# Altium PCB RadYaab_v1.PcbDoc (part 1 of 2) (continued)
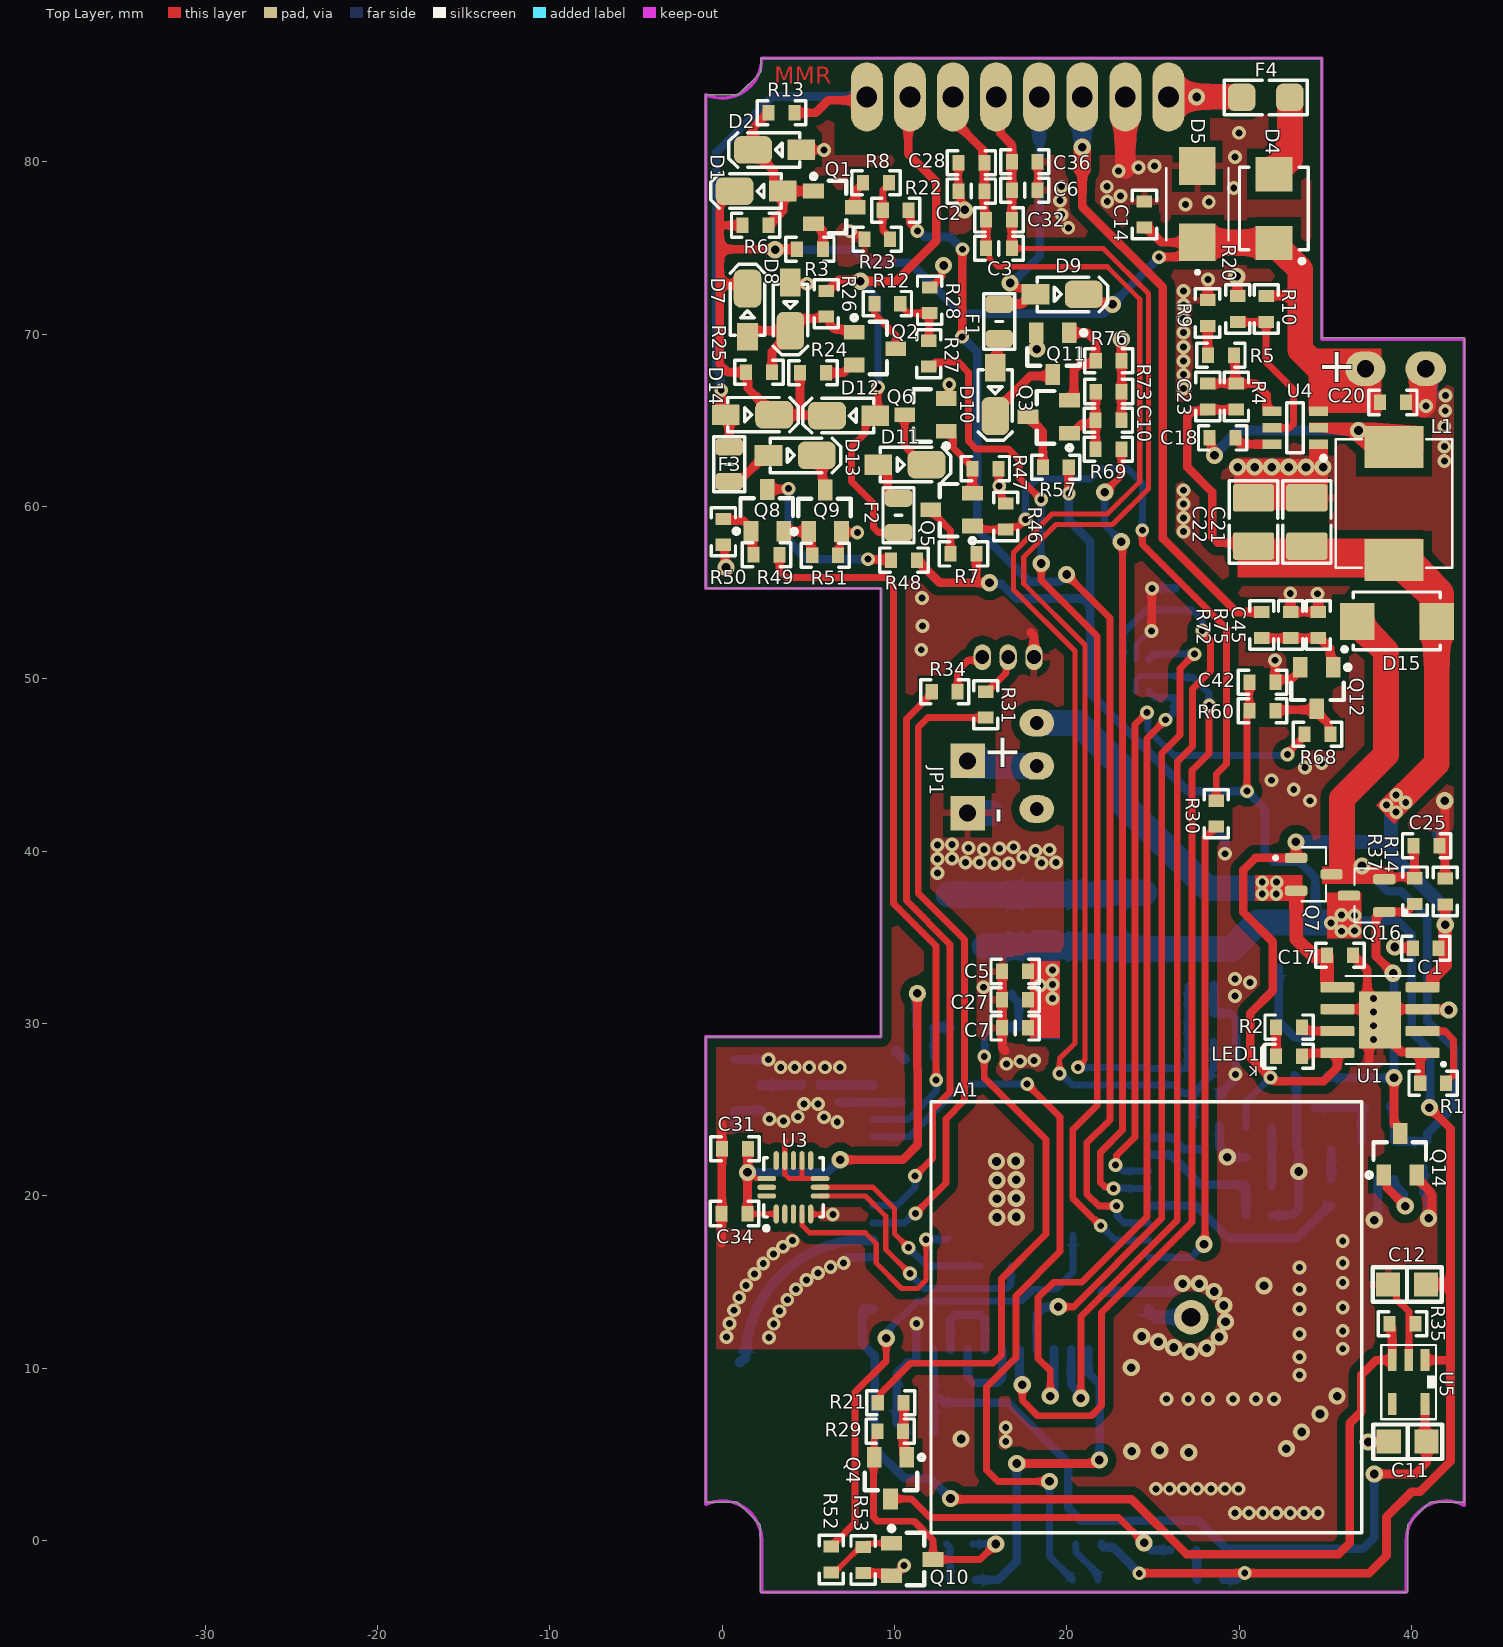
[diagram p0: Top Layer view]
## Footprints (in the part's own frame and the unit in brackets; to place one, negate y for a bottom-side part, rotate by r counter-clockwise, add the part's x,y. Pads: shape width x height; smd on the part's side, far side on the other; paste and mask are expansions set on the pad) (continued)
  silkscreen extent -1.1,-0.45 1.1,0.45
SOT-23-3 [mm]
  rect 0.85x1.2 smd: 1(0,0) 2(1.9,0) 3(0.95,2.413)
  silkscreen extent -1,-0.15 2.44,1.9, body extent -0.55,-0.2 2.45,2.44, height 1.08
SW-TH_SS-12D01-GX [mm] "Slide Switch SPDT Surface Mount, Vertical Push"
  oval 1.6x2 hole 0.8: 1(-2.5,0) 2(0,0) 3(2.5,0)
  silkscreen extent -4.4,-1.95 4.4,1.95
Tantalum-B [mm] "1210 (3528 Metric) Tantalum Capacitor"
  rect 2x2.5 smd: 1(0,0) 2(-3,0)
  silkscreen extent -4.3,-1.69 2,1.71, body extent -3.39,-1.41 0.3,1.41, height 2.09
YDRA-A25-1575 [mm] "25x25mm GPS ceramic patch antenna"
  round 2 hole 1.1: 1(0,0)
  silkscreen extent -12.5,-15.1 12.5,9.9, body extent -12.5,-15.1 12.5,9.9, height 5

## Part data
A1: "25x25mm GPS ceramic patch antenna", Current Footprint=NULL, Manufacturer=Amotech, Board Qty=1000, HelpURL="D:\HNA\ALTIUM2009\GS-101\DOC\Datasheet_YDRA-A25-1575 (Rev 0).pdf", ITEM/NO=NULL, Manufacturer Part Number=NULL, Package / Case=NULL, Part Number=YDRA-A25-1575, PCB Name=GS-101, Pricing=NULL, Size / Dimension=NULL, Supplier=NULL, Supplier Part Number=NULL
A2: Central Frequency=2.4GHz, JLCPCB Part Class="Extended Part", LCSC Part Name=2.4G天线, Manufacturer=JOHANSON(约翰逊), Operating Temperature=-40℃~+125℃, Power capacity=2W, Add into BOM=yes, Antenna Type=2.4G天线, Bandwidth=-, Convert to PCB=yes, Datasheet=https://atta.szlcsc.com/upload/public/pdf/source/20180301/C89334_15198946260391384223.pdf, Device=2450AT18A100E, Impedance=50Ω, Manufacturer Part=2450AT18A100E, Peak Gain=0.5dBi, Polarization Type=-, Supplier=LCSC, Supplier Footprint=1206, Supplier Part=C89334, Symbol=2450AT18A100E, VSWR=-
B1: library part "Battery 3.7V 1000mah", "Battery 3.7V 450mAh with PCB Rechargeable Li-Polymer Battery", Current Footprint=NULL, Board Qty=1000, ITEM/NO=NULL, Manufacturer=NULL, Manufacturer Part Number=NULL, Package / Case=NULL, Part Number="PL 423040 3.7V 450maH 1.66wH", PCB Name=GS-101, Pricing=NULL, Size / Dimension=29.5MM*38MM*4MM, Supplier=NULL, Supplier Part Number=NULL
C1 C11 C17 C24: library part Cap_SMD, "Chip Monolithic Ceramic Capacitor; SMD", Current Footprint="0805 (2012 Metric)", Manufacturer="Vishay or Panasonic", Manufacturer Part Number=NULL, Board Qty=1000, ITEM/NO=23, Package / Case="0805 (2012 Metric)", Part Number=10uF, PCB Name=GS-101, Pricing=NULL, Size / Dimension=NULL, Supplier=NULL, Supplier Part Number=NULL
C2 C3 C6 C7 C28 C29 C30 C32 C33 C35 C36 C37 C38: library part Cap, "Chip Monolithic Ceramic Capacitor; SMD", Current Footprint="0603 (1608 Metric)", Manufacturer="Vishay or Panasonic", Manufacturer Part Number=NULL, Board Qty=1000, ComponentLink1Description=Datasheet, ComponentLink1URL="D:\HNA\Datasheet Documents\KEM_C1002_X7R_SMD.pdf", Description1="Chip Monolithic Ceramic Capacitor; SMD", HelpURL="D:\HNA\Datasheet Documents\KEM_C1002_X7R_SMD.pdf", Mounting Type="Surface Mount", Package / Case="0603 (1608 Metric)", PCB Name=GS-101, Pricing=NULL, Size / Dimension=NULL, Supplier=NULL, Supplier Part Number=NULL
  C2 C6 C29 C37: ITEM/NO=35, Part Number=10PF
  C3 C33: ITEM/NO=46, Part Number=10PF
  C7: ITEM/NO=44, Part Number=100nF
  C28 C30 C36 C38: ITEM/NO=35, Part Number=33PF
  C32 C35: ITEM/NO=46, Part Number=33PF
C4 C16 C39: library part "Cap Pol SMD", "CAP TANT 22UF 10% 16V SMD", Current Footprint="1411 (3528 Metric), 1210", ESR (Equivalent Series Resistance)="2.3 Ohm", Lifetime @ Temp.=-, Manufacturer="AVX Corporation", Manufacturer Part Number=TAJB226K016RNJ, Manufacturer Size Code=B, Operating Temperature="-55°C ~ 125°C", Supplier Part Number=NULL, Supplier Part Number 1=478-1682-2-ND, Tolerance=±10%, Board Qty=1000, Category=Capacitors, ComponentLink1Description=http://datasheets.avx.com/TAJ.pdf, ComponentLink1URL=http://datasheets.avx.com/TAJ.pdf, Failure Rate=-, Features="General Purpose", Height - Seated (Max)="0.083\" (2.10mm)", HelpURL="D:\HNA\Datasheet Documents\TAJ.pdf", ITEM/NO=NULL, Lead Spacing=-, Mounting Type="Surface Mount", Notification="Current market demand for these product types have resulted in fluctuating and extending lead times. Lead times may differ.", Package / Case="1411 (3528 Metric), 1210", Packaging="Tape & Reel (TR)", Part Number=100uF/6.3V, Part Status=Active, PCB Name=GS-101, Pricing=NULL, Pricing 1="2000=0.1344, 4000=0.126, 10000=0.1176, 14000=0.116 (USD)", RoHS="RoHS Compliant", Size / Dimension="0.138\" L x 0.110\" W (3.50mm x 2.80mm)", Stock 1=84000, Supplier=NULL, Supplier 1=Digi-Key, Type=Molded
C5 C8 C9 C10 C12 C25 C27 C34 C42 C45: library part Cap, "Chip Monolithic Ceramic Capacitor; SMD", Current Footprint="0603 (1608 Metric)", Manufacturer=NULL, Board Qty=1000, Manufacturer Part Number=NULL, Package / Case="0603 (1608 Metric)", PCB Name=GS-101, Pricing=NULL, Size / Dimension=NULL, Supplier=NULL, Supplier Part Number=NULL
  C5: ITEM/NO=44, Part Number=10pF
  C8 C9: ITEM/NO=44, Part Number=NA
  C10 C25: ITEM/NO=44, Part Number=1uF
  C12: ITEM/NO=44, Part Number=10uF
  C27: ITEM/NO=44, Part Number=33pF
  C34: ITEM/NO=13, Part Number=1uF
  C42 C45: ITEM/NO=44, Part Number=100nF
C13 C15: library part Cap_SMD, "Chip Monolithic Ceramic Capacitor; SMD", Current Footprint="0603 (1608 Metric)", Manufacturer="Vishay or Panasonic", Manufacturer Part Number=NULL, Board Qty=1000, ITEM/NO=44, Package / Case="0603 (1608 Metric)", Part Number=100nF, PCB Name=GS-101, Pricing=NULL, Size / Dimension=NULL, Supplier=NULL, Supplier Part Number=NULL
C14 C18 C20 C23 C26: library part "Capacitor SMD"
C19: library part "Cap Pol THD", "CAP ALUM 100UF 20% 50V RADIAL", Current Footprint="Radial, Can", ESR (Equivalent Series Resistance)="74 mOhm @ 100kHz", Lifetime @ Temp.="3000 Hrs @ 105°C", Manufacturer=KEMET, Manufacturer Part Number=ESY107M050AG3AA, Operating Temperature="-40°C ~ 105°C", Ratings=-, Supplier Part Number=NULL, Supplier Part Number 1=399-6119-ND, Tolerance=±20%, Applications="General Purpose", Board Qty=1000, Category=Capacitors, ComponentLink1Description=https://search.kemet.com/component-edge/download/specsheet/ESY107M050AG3AA.pdf, ComponentLink1URL=https://search.kemet.com/component-edge/download/specsheet/ESY107M050AG3AA.pdf, Height - Seated (Max)="0.492\" (12.50mm)", HelpURL="D:\HNA\Datasheet Documents\ESY107M050AG3AA.pdf", ITEM/NO=NULL, Lead Spacing="0.295\" (7.50mm)", Mounting Type="Through Hole", Package / Case="Radial, Can", Packaging=Bulk, Part Number=100uF/50V, Part Status=Active, PCB Name=GS-101, Polarization=Polar, Pricing=NULL, Pricing 1="1=0.34, 10=0.235, 100=0.1411, 500=0.10584, 1000=0.08938, 2500=0.08467, 5000=0.07997 (USD)", RoHS="RoHS Compliant", Size / Dimension="0.315\" Dia (8.00mm)", Stock 1=5937, Supplier=NULL, Supplier 1=Digi-Key, Surface Mount Land Size=-
C21 C22: library part CAP_SMD_MLCC_22u25V, "CAP, MLCC, X5R 22uF 25V 20% 1206", DESC="CAP, MLCC, 22uF, 25V, X5R,  20%, 1206", MANF="Taiyo Yuden", MANF_P#=TMK316BBJ226ML-T, PARAM="X5R, 20%", PARAM2=25V, PRICE=0.572$
C31: library part Cap, "Chip Monolithic Ceramic Capacitor; SMD", Current Footprint="0603 (1608 Metric)", Manufacturer=NULL, Part Number=100nF, Board Qty=1000, ITEM/NO=44, Manufacturer Part Number=NULL, Package / Case="0603 (1608 Metric)", PCB Name=GS-101, Pricing=NULL, Size / Dimension=NULL, Supplier=NULL, Supplier Part Number=NULL
D1 D2 D7 D8 D9 D10 D11 D12 D13 D14: library part "Diode 1N4148", "DIODE SMALL SIG 100V 0.2A SOD80", Current Footprint=SOD-80, Manufacturer="Fairchild Semiconductor", Manufacturer Part Number=LL4148, Part Number=1N4148W, Supplier Part Number=LL4148FSCT-ND, Assembly Status=A, Board Qty=1000, ComponentLink1Description=Datasheet, ComponentLink1URL="D:\HNA\Datasheet Documents\LL4148.pdf", Description1="DIODE SMALL SIG 100V 0.2A SOD80", HelpURL="D:\HNA\Datasheet Documents\LL4148.pdf", in stock Qty=0, ITEM/NO=92, Main Supplier="Ocean Electronic (Int'L) Limited--(http://www.iic-ic.com)", Mounting Type="Surface Mount", Package / Case=SOD-80, Packaging Part=?, Part Picture="D:\HNA\Electrinic Part Pictures\SOD-80.bmp", PCB Name=GS-101, PCB Project="FL3 Controller", Pricing="1=0.1, 10=0.068, 25=0.062, 100=0.0445, 250=0.0262, 500=0.02174, 1000=0.01483 (USD)", Repository Qty=55, SHOP NAME=?, Size / Dimension=NULL, Supplier=Digi-Key
D3: library part TVSARRAY_5LANE, "Voltage Transient Suppressor ArraySOT363", DeviceSetName=TVSARRAY_5LANE, GateName_1=G$1, LibraryName=microbuilder, SymbolName_1=TVSARRAY_5LANE
D4: library part "Diode SS24", "DIODE SCHOTTKY 40V 2A DO214AA", Current Footprint="DO-214AA, SMB", Manufacturer="Fairchild Semiconductor", Supplier Part Number=NULL, Supplier Part Number 1=SS28TR-ND, Board Qty=1000, HelpURL="D:\HNA\Datasheet Documents\S210 (1).pdf", ITEM/NO=115, Manufacturer Part Number=SS28, Mounting Type="Surface Mount", Package / Case="DO-214AA, SMB", Part Number=SS28, PCB Name=GS-101, Pricing="1=0.48, 10=0.364, 100=0.2266, 500=0.1549, 1000=0.11907 (USD)", Size / Dimension=NULL, Supplier=NULL, Supplier 1=Digi-Key
D5: "24V TVS Diode", Package="DO-214 STMicroelectronics", Check_prices=https://www.snapeda.com/parts/SMBJ24A-TR/STMicroelectronics/view-part/?ref=eda, MF=STMicroelectronics, MP=SMBJ24A-TR, SnapEDA_Link=https://www.snapeda.com/parts/SMBJ24A-TR/STMicroelectronics/view-part/?ref=snap
D15: library part "Diode SS24", "DIODE SCHOTTKY 10V 2A SMA", Base Part Number=MBRA210, Capacitance @ Vr, F=-, Current - Average Rectified (Io)=2A, Current Footprint="DO-214AC, SMA", Manufacturer="ON Semiconductor", Operating Temperature - Junction="-55°C ~ 125°C", Supplier Device Package=SMA, Supplier Part Number=NULL, Supplier Part Number 1=MBRA210LT3GOSTR-ND, Board Qty=1000, Category="Discrete Semiconductor Products", ComponentLink1Description=http://www.onsemi.com/pub/Collateral/MBRA210LT3-D.PDF, ComponentLink1URL=http://www.onsemi.com/pub/Collateral/MBRA210LT3-D.PDF, Diode Type=Schottky, HelpURL="D:\HNA\Datasheet Documents\MBRA210LT3-D.PDF", ITEM/NO=NULL, Manufacturer Part Number=MBRA210LT3G, Mounting Type="Surface Mount", Package / Case="DO-214AC, SMA", Packaging="Tape & Reel (TR)", Part Number=MBRA210LT3G, Part Status=Active, PCB Name=GS-101, Pricing=NULL, Pricing 1="5000=0.17705, 10000=0.16484, 25000=0.15629 (USD)", RoHS="RoHS Compliant", Size / Dimension=NULL, Speed="Fast Recovery =< 500ns, > 200mA (Io)", Stock 1=20000, Supplier=NULL, Supplier 1=Digi-Key
F1 F2 F3: library part FUSE_500mA_0805_FAST, "Fuse, 500mA, 32VDC, 0805, SMD, Fast Acting", MANF=MANF, MANF_P#=MANF_PART#, PARAM="500mA; 32VDC; fast acting", PARAM2="0.25 Ohm DC Cold Resistance"
F4: library part FUSE_3A_1206_SLOW, "Fuse, 3A, 32VDC, 1206, SMD, Slow Blow", MANF=Bourns, MANF_P#=SF-1206SP300-2, PARAM="3A; 32VDC; Slow Blow", PARAM2=0.027Ohm, PRICE=0.9$
J1: "WR-UMRF PCB Receptacle SMT with 3 Pads, DC~6GHz, 50Ω", Frequency Range=DC~6GHz, Manufacturer="Wurth Elektronik", Operating Temperature Max=90°C, Operating Temperature Min=-40°C, Category="Coaxial Connectors", ComponentLink1Description="Website Link", ComponentLink1URL=https://www.we-online.com/redexpert/article/636101111001?ad, ComponentLink2Description="Datasheet Link", ComponentLink2URL=https://www.we-online.com/redexpert/spec/636101111001?ad, Impedance=50Ohm, Manufacturer Part Number=636101111001, Match Code=WR-UMRF, Mount="Surface Mount", Packaging="Tape and Reel"
JP1: library part "Header 2", "CONN HEADER 2POS 2.54MM VERT T/H MALE", Current Footprint=HDR1X2, Manufacturer="JST Sales America Inc", Manufacturer Part Number=B2B-XH-A(LF)(SN), Supplier Part Number=455-2247-ND, Board Qty=1000, ComponentLink1Description=Datasheet, ComponentLink1URL="D:\HNA\Datasheet Documents\eXH.pdf", Description1="CONN HEADER 2POS 2.54MM VERT T/H MALE", HelpURL="D:\HNA\Datasheet Documents\eXH.pdf", ITEM/NO=87, Mounting Type="Through Hole", Package / Case=HDR1X2, Part Number=JST-XH-2PIN-V-2.5MM, PCB Name=GS-101, Pricing="1=0.14, 10=0.134, 25=0.0996, 50=0.0856, 100=0.0827, 250=0.07124, 500=0.0684, 1000=0.05985, 2500=0.05415 (USD)", Size / Dimension="Number of Positions=2;Number of Rows=1;Pitch=0.098\" (2.50mm);Contact Type=Male Pin", Supplier=Digi-Key
L1: library part IND1008_1UH_20%_WURTH_74479787210B, "Inductor", Case=1008, Manufacturer="WURTH ELEKTRONIK", Manufacturer Part Number=74479787210B, Power=1.95A, resistance=0.06R, Tolerance=±20%, Author="CERN DEM JLC", Component Type=Standard, ComponentHeight=1mm, CreateDate=10/1/2014, HelpURL=\\cern.ch\dfs\Applications\Altium\Datasheets\IND_WURTH_WE-PMI_74479787210B.pdf, LatestRevisionDate=10/1/2014, Mounted=Yes, Part Description="Power Multilayer Inductor (WE-PMI Series)", Part Number=IND1008_1UH_20%_WURTH_74479787210B, Pin Count=2, Sense=No, SMD=Yes, Socket=No
LED1 LED2 LED3 LED4: library part LED_SMD, "LED BLUE CLEAR 0603 SMD", Current Footprint="0603 (1608 Metric)", Manufacturer=Inolux, Manufacturer Part Number=IN-S63AT5B, Supplier Part Number=1830-1061-2-ND, Board Qty=1000, ComponentLink1Description=http://optoelectronics.liteon.com/upload/download/DS22-2000-109/S_110_LTST-C171KRKT.pdf, ComponentLink1URL=http://optoelectronics.liteon.com/upload/download/DS22-2000-109/S_110_LTST-C171KRKT.pdf, ITEM/NO=95, Mounting Type="Surface Mount", Package / Case="0603 (1608 Metric)", PCB Name=GS-101, Pricing="1=0.39, 10=0.288, 100=0.1526, 250=0.108, 500=0.09216, 1000=0.072 (USD)", Size / Dimension=NULL, Supplier=Digi-Key
  LED1: Part Number="LED WHITE SMD 0603"
  LED2: Part Number="LED BLUE SMD 0603"
  LED3: Part Number="LED RED SMD 0603"
  LED4: Part Number="LED GREEN SMD 0603"
P1: library part "Header 8", "2.50mm Pitch, Board-In Crimp Housing, Single Row, Right-Angle and Vertical, 8 Circuits, Natural", LatestRevisionDate=17-Jul-2002, LatestRevisionNote="Re-released for DXP Platform.", Publisher="Altium Limited"
P2: library part "Header 3", "JST ZH 1.5mm Connectors 3POS", LatestRevisionDate=17-Jul-2002, LatestRevisionNote="Re-released for DXP Platform.", Publisher="Altium Limited"
P3: JLCPCB Part Class="Extended Part", LCSC Part Name="自弹式 MicroSIM卡 卡座", Manufacturer=kinghelm(金航标), Operating Temperature Range=-20℃~+60℃, Add into BOM=yes, Body Height (Max)=1.35mm, Card Connection Mode="Self bomb", Card Type=MicroSIM卡, Connector Type=Deck, Convert to PCB=yes, Datasheet=https://atta.szlcsc.com/upload/public/pdf/source/20200330/C504015_D42CE4BD6084CA1A3D8216E6E077CFDC.pdf, Device=KH-SIM1616-6PIN, Manufacturer Part=KH-SIM1616-6PIN, Supplier=LCSC, Supplier Footprint=SMD, Supplier Part=C504015, Symbol=KH-SIM1616-6PIN
Q1 Q2: library part FFMT3905, "TRANS PNP SOT23-3", Base Part Number=MMBTA92, Current - Collector (Ic) (Max)=200mA, Current Footprint="TO-236-3, SC-59, SOT-23-3", Frequency - Transition=250MHz, Manufacturer="Diodes Incorporated", Manufacturer Part Number=MMBTA92-7-F, Supplier Device Package=SOT-23-3, Supplier Part Number=MMBTA92-FDICT-ND, Board Qty=1000, Category="Discrete Semiconductor Products", HelpURL="D:\HNA\Datasheet Documents\ds30060.pdf", ITEM/NO=97, Mounting Type="Surface Mount", Package / Case="TO-236-3, SC-59, SOT-23-3", Packaging="Cut Tape (CT)", Part Number=MMBTA92, PCB Name=GS-101, Pricing="1=0.24, 10=0.195, 100=0.1033, 500=0.06798, 1000=0.04623 (USD)", Size / Dimension=NULL, Supplier=Digi-Key, Transistor Type=PNP
Q3 Q4 Q5 Q6 Q8 Q9 Q10 Q11 Q12 Q14 Q15: "TRANS NPN 300V 0.3A SOT23", Base Part Number=MMBTA42, Current - Collector Cutoff (Max)="100nA (ICBO)", Current Footprint="TO-236-3, SC-59, SOT-23-3", DC Current Gain (hFE) (Min) @ Ic, Vce="40 @ 30mA, 10V", Frequency - Transition=50MHz, Manufacturer="Micro Commercial Co", Manufacturer Part Number=MMBTA42-TP, Operating Temperature="-55°C ~ 150°C (TJ)", Supplier Device Package=SOT-23, Supplier Part Number=MMBTA42TPMSCT-ND, Board Qty=1000, Category="Discrete Semiconductor Products", HelpURL="D:\HNA\Datasheet Documents\MMBTA42(SOT-23).pdf", ITEM/NO=71, Mounting Type="Surface Mount", Package / Case="TO-236-3, SC-59, SOT-23-3", Packaging="Cut Tape (CT)", Part Status=Active, PCB Name=GS-101, Pricing="1=0.22, 10=0.203, 25=0.146, 100=0.1136, 250=0.07136, 500=0.06084, 1000=0.04137 (USD)", RoHS="RoHS Compliant", Size / Dimension=NULL, Stock=49544, Supplier=Digi-Key, Transistor Type=NPN, Vce Saturation (Max) @ Ib, Ic="500mV @ 2mA, 20mA"
  Q3 Q4 Q5 Q6 Q8 Q9 Q10 Q11 Q14 Q15: Part Number=BC817-40
  Q12: Part Number=MMBTA42
Q7 Q16: library part IRLML6402TRPBF, "P-Channel 20 V 3.7A (Ta) 1.3W (Ta) Surface Mount Micro3Ã¢â€žÂ¢ /SOT-23", Package="SOT-23-3 ON Semiconductor", Check_prices=https://www.snapeda.com/parts/IRLML6402TRPBF/Infineon/view-part/?ref=eda, MF=Infineon, MP=IRLML6402TRPBF, SnapEDA_Link=https://www.snapeda.com/parts/IRLML6402TRPBF/Infineon/view-part/?ref=snap
Q13: "N-Channel 20 V 6.5A (Ta) 1.4W (Ta) Surface Mount SOT-23-3", Package="SOT-23 Alpha &amp; Omega Semiconductor", Check_prices=https://www.snapeda.com/parts/AO3416/Alpha/view-part/?ref=eda, MF="Alpha & Omega Semiconductor", MP=AO3416, SnapEDA_Link=https://www.snapeda.com/parts/AO3416/Alpha/view-part/?ref=snap
R1 R11 R14 R15 R31 R34 R37 R52 R53: library part Res1, "Resistor: thick film; SMD", Current Footprint="0603 (1608 Metric)", Manufacturer="Vishay or Panasonic", Manufacturer Part Number=NULL, Board Qty=1000, ComponentLink1Description=Datasheet, ComponentLink1URL="D:\HNA\Datasheet Documents\Resistor-Chip-UniOhm.pdf", Description1="Resistor: thick film; SMD", HelpURL="D:\HNA\Datasheet Documents\Resistor-Chip-UniOhm.pdf", Mounting Type="Surface Mount, MLCC", Package / Case="0603 (1608 Metric)", PCB Name=GS-101, Pricing=NULL, Size / Dimension=NULL, Supplier=NULL, Supplier Part Number=NULL
  R1: ITEM/NO=56, Part Number=20KR
  R11: ITEM/NO=47, Part Number=0R
  R14 R37: ITEM/NO=56, Part Number=100K
  R15: ITEM/NO=56, Part Number=330R
  R31 R34: ITEM/NO=47, Part Number=100R
  R52 R53: ITEM/NO=56, Part Number=4.7K
R2 R7 R16 R18 R48 R57: library part Res1, "Resistor: thick film; SMD", Current Footprint="0603 (1608 Metric)", Manufacturer="Vishay or Panasonic", Manufacturer Part Number=NULL, Part Number=1KR, Board Qty=1000, ComponentLink1Description=Datasheet, ComponentLink1URL="D:\HNA\Datasheet Documents\Resistor-Chip-UniOhm.pdf", Description1="Resistor: thick film; SMD", HelpURL="D:\HNA\Datasheet Documents\Resistor-Chip-UniOhm.pdf", Mounting Type="Surface Mount, MLCC", Package / Case="0603 (1608 Metric)", PCB Name=GS-101, Pricing=NULL, Size / Dimension=NULL, Supplier=NULL, Supplier Part Number=NULL
  R2 R16 R18: ITEM/NO=56
  R7 R48 R57: ITEM/NO=15
R3 R24 R68: library part "Res Semi", "Resistor: thick film; SMD", Current Footprint="0603 (1608 Metric)", Manufacturer="Vishay or Panasonic", Manufacturer Part Number=NULL, Board Qty=1000, Package / Case="0603 (1608 Metric)", PCB Name=GS-101, Pricing=NULL, Size / Dimension=NULL, Supplier=NULL, Supplier Part Number=NULL
  R3 R24: ITEM/NO=47, Part Number=100R
  R68: ITEM/NO=50, Part Number=120R
R4 R5 R9 R10 R20: library part "Resistor SMD"
R6 R8 R12 R25 R60 R75: library part "Res Semi", "Resistor: thick film; SMD", Current Footprint="0603 (1608 Metric)", Manufacturer="Vishay or Panasonic", Manufacturer Part Number=NULL, Part Number=10KR, Board Qty=1000, Package / Case="0603 (1608 Metric)", PCB Name=GS-101, Pricing=NULL, Size / Dimension=NULL, Supplier=NULL, Supplier Part Number=NULL
  R6 R25 R60 R75: ITEM/NO=20
  R8 R12: ITEM/NO=50
R13 R23 R26 R28: library part "Res Semi", "Resistor: thick film; SMD", Current Footprint="0603 (1608 Metric)", Manufacturer="Vishay or Panasonic", Manufacturer Part Number=NULL, Part Number=4.7KR, Board Qty=1000, ITEM/NO=15, Package / Case="0603 (1608 Metric)", PCB Name=GS-101, Pricing=NULL, Size / Dimension=NULL, Supplier=NULL, Supplier Part Number=NULL
R21: library part Res1, "Resistor: thick film; SMD", Current Footprint="0603 (1608 Metric)", Manufacturer="Vishay or Panasonic", Manufacturer Part Number=NULL, Part Number=4.7KR, Board Qty=1000, ComponentLink1Description=Datasheet, ComponentLink1URL="D:\HNA\Datasheet Documents\Resistor-Chip-UniOhm.pdf", Description1="Resistor: thick film; SMD", HelpURL="D:\HNA\Datasheet Documents\Resistor-Chip-UniOhm.pdf", ITEM/NO=15, Mounting Type="Surface Mount, MLCC", Package / Case="0603 (1608 Metric)", PCB Name=GS-101, Pricing=NULL, Size / Dimension=NULL, Supplier=NULL, Supplier Part Number=NULL
R22 R27: library part "Res Semi", "Resistor: thick film; SMD", Current Footprint="0603 (1608 Metric)", Manufacturer="Vishay or Panasonic", Manufacturer Part Number=NULL, Part Number=1KR, Board Qty=1000, ITEM/NO=50, Package / Case="0603 (1608 Metric)", PCB Name=GS-101, Pricing=NULL, Size / Dimension=NULL, Supplier=NULL, Supplier Part Number=NULL
R29 R35: library part Res1, "Resistor: thick film; SMD", Current Footprint="0603 (1608 Metric)", Manufacturer="Vishay or Panasonic", Manufacturer Part Number=NULL, Part Number=47KR, Board Qty=1000, ComponentLink1Description=Datasheet, ComponentLink1URL="D:\HNA\Datasheet Documents\Resistor-Chip-UniOhm.pdf", Description1="Resistor: thick film; SMD", HelpURL="D:\HNA\Datasheet Documents\Resistor-Chip-UniOhm.pdf", ITEM/NO=39, Mounting Type="Surface Mount, MLCC", Package / Case="0603 (1608 Metric)", PCB Name=GS-101, Pricing=NULL, Size / Dimension=NULL, Supplier=NULL, Supplier Part Number=NULL
R30 R49 R69: library part Res1, "Resistor: thick film; SMD", Current Footprint="0603 (1608 Metric)", Manufacturer="Vishay or Panasonic", Manufacturer Part Number=NULL, Part Number=3.3KR, Board Qty=1000, ComponentLink1Description=Datasheet, ComponentLink1URL="D:\HNA\Datasheet Documents\Resistor-Chip-UniOhm.pdf", Description1="Resistor: thick film; SMD", HelpURL="D:\HNA\Datasheet Documents\Resistor-Chip-UniOhm.pdf", ITEM/NO=15, Mounting Type="Surface Mount, MLCC", Package / Case="0603 (1608 Metric)", PCB Name=GS-101, Pricing=NULL, Size / Dimension=NULL, Supplier=NULL, Supplier Part Number=NULL
R39: library part Res1, "Resistor: thick film; SMD", Current Footprint="0603 (1608 Metric)", Manufacturer="Vishay or Panasonic", Manufacturer Part Number=NULL, Part Number=100, Board Qty=1000, ComponentLink1Description=Datasheet, ComponentLink1URL="D:\HNA\Datasheet Documents\Resistor-Chip-UniOhm.pdf", Description1="Resistor: thick film; SMD", HelpURL="D:\HNA\Datasheet Documents\Resistor-Chip-UniOhm.pdf", ITEM/NO=56, Mounting Type="Surface Mount, MLCC", Package / Case="0603 (1608 Metric)", PCB Name=GS-101, Pricing=NULL, Size / Dimension=NULL, Supplier=NULL, Supplier Part Number=NULL
R40 R46 R47 R50 R51 R73 R76: library part Res1, "Resistor: thick film; SMD", Current Footprint="0603 (1608 Metric)", Manufacturer="Vishay or Panasonic", Manufacturer Part Number=NULL, Part Number=10KR, Board Qty=1000, ComponentLink1Description=Datasheet, ComponentLink1URL="D:\HNA\Datasheet Documents\Resistor-Chip-UniOhm.pdf", Description1="Resistor: thick film; SMD", HelpURL="D:\HNA\Datasheet Documents\Resistor-Chip-UniOhm.pdf", Mounting Type="Surface Mount, MLCC", Package / Case="0603 (1608 Metric)", PCB Name=GS-101, Pricing=NULL, Size / Dimension=NULL, Supplier=NULL, Supplier Part Number=NULL
  R40: ITEM/NO=56
  R46 R47 R50 R51 R73 R76: ITEM/NO=20
R41: library part Res1, "Resistor: thick film; SMD", Current Footprint="0603 (1608 Metric)", Manufacturer="Vishay or Panasonic", Manufacturer Part Number=NULL, Part Number=0, Board Qty=1000, ComponentLink1Description=Datasheet, ComponentLink1URL="D:\HNA\Datasheet Documents\Resistor-Chip-UniOhm.pdf", Description1="Resistor: thick film; SMD", HelpURL="D:\HNA\Datasheet Documents\Resistor-Chip-UniOhm.pdf", ITEM/NO=56, Mounting Type="Surface Mount, MLCC", Package / Case="0603 (1608 Metric)", PCB Name=GS-101, Pricing=NULL, Size / Dimension=NULL, Supplier=NULL, Supplier Part Number=NULL
R43 R45: library part "Res SMD", "Resistor: thick film; SMD", Current Footprint="0603 (1608 Metric)", Manufacturer="Vishay or Panasonic", Manufacturer Part Number=NULL, Board Qty=1000, ITEM/NO=39, Package / Case="0603 (1608 Metric)", Part Number="47KR/ 1%", PCB Name=GS-101, Pricing=NULL, Size / Dimension=NULL, Supplier=NULL, Supplier Part Number=NULL
R44: library part "Res SMD", "Resistor: thick film; SMD", Current Footprint="0603 (1608 Metric)", Manufacturer="Vishay or Panasonic", Manufacturer Part Number=NULL, Part Number=10KR, Board Qty=1000, ITEM/NO=20, Package / Case="0603 (1608 Metric)", PCB Name=GS-101, Pricing=NULL, Size / Dimension=NULL, Supplier=NULL, Supplier Part Number=NULL
R72: library part "Res Semi", "Resistor: thick film; SMD", Current Footprint="0603 (1608 Metric)", Manufacturer="Vishay or Panasonic", Manufacturer Part Number=NULL, Part Number=47KR, Board Qty=1000, ITEM/NO=43, Package / Case="0603 (1608 Metric)", PCB Name=GS-101, Pricing=NULL, Size / Dimension=NULL, Supplier=NULL, Supplier Part Number=NULL
S1: library part SW-SPDT, "SWITCH SLIDE SPDT", Current Rating="300mA (DC)", Manufacturer="APEM Inc.", Manufacturer Part Number=MA12RTR, Operating Force=200gf, Operating Temperature="-10°C ~ 60°C", Supplier Part Number 1=679-1847-2-ND, Actuator Length=1.50mm, Actuator Material="Liquid Crystal Polymer (LCP)", Actuator Type=Standard, Category=Switches, Circuit=SPDT, ComponentLink1Description=http://media.digikey.com/pdf/Data%20Sheets/APEM%20Components%20PDFs/MA_Series_.pdf, ComponentLink1URL=http://media.digikey.com/pdf/Data%20Sheets/APEM%20Components%20PDFs/MA_Series_.pdf, Contact Finish=Silver, Contact Material="Beryllium Copper", Contact Timing="Not Specified", Electrical Life="10,000 Cycles", Features="Board Guide", HelpURL="D:\HNA\Datasheet Documents\MA_Series_.pdf", Mechanical Life=-, Mounting Type="Surface Mount, Right Angle", Packaging="Tape & Reel (TR)", Part Number=MA12RTR, Part Status=Active, Pricing 1="3300=0.5504, 6600=0.4816, 23100=0.4128 (USD)", RoHS="RoHS Compliant", Stock 1=13200, Supplier 1=Digi-Key, Switch Function=On-On, Switch Travel=1.50mm, Termination Style="Gull Wing"
U1: "Complete single cell Li-Ion battery with a constant current / constant voltage linear charger", Package=Package, Availability="Not in stock", Check_prices=https://www.snapeda.com/parts/TP4056/NanJing+Top+Power+ASIC+Corp./view-part/?ref=eda, MF="NanJing Top Power ASIC Corp.", MP=TP4056, PRICE=None, SnapEDA_Link=https://www.snapeda.com/parts/TP4056/NanJing+Top+Power+ASIC+Corp./view-part/?ref=snap
U2: library part SKC111, "GSM/GPRS/GNSS Module Series", Current Footprint=MOD-68, Manufacturer=NULL, Board Qty=1000, HelpURL=D:\HNA\ALTIUM2009\GS-101\Quictel\MC60\MC60\Hardware\Quectel_MC60_Series_Hardware_Design_V2.0.pdf, ITEM/NO=NULL, Manufacturer Part Number=NULL, Package / Case=MOD-68, Part Number=MC60, PCB Name=GS-101, Pricing=NULL, Size / Dimension=NULL, Supplier=NULL, Supplier Part Number=NULL
U3: "MEMS digital output motion sensor: Ultra low-power high performance 3-axis nano accelerometer, -40 to +85°C, LGA-16 (3x3x1), Tape and Reel", Current Footprint=LGA16-3X3X1_N, Manufacturer=STMicroelectronics, Package / Case=16-VFLGA, Supplier Part Number=497-10613-1-ND, Board Qty=1000, ComponentLink1Description="Manufacturer URL", ComponentLink1URL=http://www.st.com/, HelpURL="D:\HNA\Datasheet Documents\en.CD00274221.pdf", ITEM/NO=90, Manufacturer Part Number=LIS3DHTR, Mounting Type="Surface Mount", Part Number=LIS3DHTR, PCB Name=GS-101, Pricing="1=1.63, 10=1.463, 100=1.1738, 500=0.9648, 1000=0.79864 (USD)", Size / Dimension=NULL, Supplier=Digi-Key
U4: "4.5V to 28V Input, 2-A Output, EMI Friendly / Synchronous Step Down Converter", Case=SOT23-6, Manufacturer="TEXAS INSTRUMENTS", Author="CERN DEM HF", Bonding=No, Component Type=Standard, ComponentHeight=1.1mm, CreateDate=6/10/2022, Device=TPS54202DDC, HelpURL=\\cern.ch\dfs\Applications\Altium\Datasheets\TPS54202.pdf, LatestRevisionDate=6/10/2022, Manufacturer Part Number=TPS54202DDC, Mounted=Yes, PackageDescription="SOT23, 0.95mm Pitch; 6 Pin, 1.625mm W X 2.90mm L X 1.00mm H body, IPC Medium Density", Part Description="4.5V to 28V Input, 2A Output, EMI Friendly Synchronous Step Down Converter", Part Number=TPS54202DDC, Pin Count=5, PressFit=No, Sense=No, SMD=Yes, Socket=No
U5: library part SGM2019A, "Fixed LDO Voltage Regulator 3.3V 300mA SOT-23-5", Current Footprint=SOT23-5, Manufacturer="SG Micro Limited", Supplier Part Number=NULL, Board Qty=1000, Description1="Low Power, Low Dropout  RF-Linear Regulator", HelpURL="D:\HNA\Datasheet Documents\SGM2019 (YJAA SMD CODE).pdf", ITEM/NO=106, Manufacturer Part Number=SGM2019A, Package / Case=SOT23-5, Part Number=TLV74333PDBVR, PCB Name=GS-101, Pricing=NULL, Size / Dimension=NULL, Supplier=NULL
U6: "Active-low, push-pull, voltage supervisor (reset IC) with 1.6-s watchdog & manual reset", Package="SOT-23-5 Texas Instruments", Check_prices=https://www.snapeda.com/parts/TPS3823-33DBVR/Texas+Instruments/view-part/?ref=eda, MF="Texas Instruments", MP=TPS3823-33DBVR, SnapEDA_Link=https://www.snapeda.com/parts/TPS3823-33DBVR/Texas+Instruments/view-part/?ref=snap

## Free pads (board coordinates)
  round 1 hole 0.5: 5(11.328,31.75)

## Via types
v1: diameter 0.8, hole 0.4, Top Layer to Bottom Layer, tented both sides, 206 vias
v2: diameter 1, hole 0.5, Top Layer to Bottom Layer, tented both sides, 84 vias

## Nets (pads, with @x,y where several pads share a name; then routed paths per layer and width w, separated by ;. In a path a pad name is that pad's centre, name@x,y a point inside that pad or via, vN(x,y) a via of type N, cw(c..) or ccw(c..) an arc to the next point about the centre after c; other vN are vias at no path point)
4V5: C1.2 C21.2 C22.2 C23.2 D15.1 L1.2 LED1.1 Q7.1 R4.1 R14.1 R43.2 U1.4 U1.8 | length 76.4
  Top Layer w0.5: R4.1@29.845,65.632 C23.2@28.194,65.632 28.094,65.532 27.293,65.532 27,65.239 27,62.281 28.435,60.846 28.435,58.229 28.774,57.891 30.651,57.891 C22.2@30.836,57.706 ; v2(33.299,40.538) 33.308,40.53 33.308,39.617 Q7.1@33.316,39.609 30.951,39.609 30.251,38.91 30.251,36.449 31.953,34.747 31.953,31.902 30.658,30.607 30.658,28.016 32.029,26.645 34.9,26.645 35.701,27.446 U1.8@35.701,28.296 33.758,28.296 33.655,28.192 LED1.1@33.655,28.092 ; v2(41.961,35.738) R14.1@41.961,36.906
  Top Layer w0.8: U1.4@41.236,32.206 41.236,32.675 41.961,33.399 v2(41.961,35.738)
  Top Layer w1.5: 39.624,43.256 41.467,45.099 D15.1@41.467,53.34
  Top Layer w2: L1.2@38.989,56.894 39.473,56.894 41.467,54.901 D15.1@41.467,53.34
  Bottom Layer w0.4: R43.2@30.404,23.927 30.404,25.451 v1(31.826,26.873)
  Bottom Layer w0.8: v2(33.299,40.538) 38.824,40.538 ; v1@38.824,42.431 38.824,40.538 ; v2(41.961,35.738) 41.923,35.776 41.923,36.716 38.824,39.814 38.824,40.538
  other v1: 39.116,42.266 38.557,42.672 39.675,42.824 39.116,43.256
+GNSS_VCC: C11.2 C13.2 C24.2 U2.26 U5.5 | length 45.9
  Top Layer w0.5: v2(37.846,3.861) 40.224,3.861 40.884,4.521 C11.2@40.884,5.74 ; U5.5@40.79,7.925 40.794,7.921 40.794,5.535 C11.2@40.894,5.436
  Bottom Layer w0.5: C13.2@12.143,6.198 C13.2@12.205,6.26 ; C13.2@12.217,6.248 12.276,6.307 12.276,8.196 C24.2@12.335,8.255 ; C24.2@12.257,8.788 U2.26@12.257,11.082 ; C24.2@12.268,8.612 C24.2@12.268,8.712 ; C24.2@12.637,8.243 12.879,8.001 16.586,8.001 20.091,4.496 20.091,1.88 20.828,1.143 27.635,1.143 29.261,-0.483 37.186,-0.483 37.846,0.178 v2(37.846,3.861)
+VDD28_OUT: C31.2 C34.2 pad.5 U2.43 U3.1 U3.14 | length 27.8
  Top Layer w0.3: C34.2@1.486,18.986 1.525,18.948 U3.1@3.14,18.948 ; v2@1.661,21.336 1.999,20.998 U3.14@2.59,20.998
  Top Layer w0.5: C34.2@1.486,18.986 1.473,18.999 v2(1.473,21.361) 1.486,21.374 1.486,22.72 C31.2@1.499,22.733 ; v2(6.858,22.098) 10.49,22.098 11.354,22.962 pad.5@11.328,31.75
  Bottom Layer w0.5: v2(1.473,21.361) 6.121,21.361 v2(6.858,22.098) ; U2.43@11.257,29.782 pad.5@11.257,31.766
ACC: P1.3 R72.2 | length 35.1
  Top Layer w0.5: 20.9,79.582 20.9,77.398 25.578,72.72 25.578,58.141 29.844,53.875 R72.2@31.318,53.875
  Top Layer w1: 20.9,79.582 v2(20.9,80.852)
  Bottom Layer w1: v2(20.9,80.852) P1.3@20.9,83.769
ACC_P: R68.2 U2.7 | length 40.5
  Top Layer w0.4: v1(22.835,21.793) 22.888,21.846 22.888,22.354 23.952,23.419 23.952,47.346 v1(24.663,48.057) ; v1(32.817,45.618) 32.817,45.698 33.806,46.687 R68.2@33.806,46.787
  Bottom Layer w0.4: v1(22.835,21.793) 22.892,21.793 23.254,21.432 U2.7@24.757,21.432 ; v1(24.663,48.057) 24.698,48.022 24.698,47.057 26.213,45.542 32.741,45.542 v1(32.817,45.618)
ADC: C15.2 R44.2 U2.6 | length 8.1
  Bottom Layer w0.5: U2.6@24.757,22.432 24.807,22.382 26.03,22.382 27.758,20.654 30.304,20.654 30.404,20.554 R44.2@30.404,20.549 C15.2@30.404,18.872
AUX_RXD: U2.22 U2.24 | length 5.5
  Bottom Layer w0.5: U2.24@14.257,11.082 14.257,9.484 14.597,9.144 15.964,9.144 16.257,9.437 U2.22@16.257,11.082
AUX_TXD: U2.23 U2.25 | length 5.7
  Bottom Layer w0.5: U2.25@13.257,11.082 13.257,12.814 13.55,13.106 14.964,13.106 15.257,12.814 U2.23@15.257,11.082
BAT_STATUS: LED3.2 U2.38 | length 45.4
  Top Layer w0.4: v1(17.704,26.492) 19.609,24.587 19.609,16.764 17.043,14.199 17.043,10.617 15.342,8.915 15.342,4.089 16.002,3.429 v2(18.999,3.429)
  Bottom Layer w0.4: U2.38@8.757,23.432 10.884,23.432 13.945,26.492 v1(17.704,26.492) ; v2(18.999,3.429) 18.999,-0.916 20.319,-2.235 LED3.2@20.319,-2.286
BT_ANT: A2.1 U2.32 | length 11.7
  Bottom Layer w0.6: A2.1@1.016,10.344 1.36,10.589 1.36,10.838 cw(c1.96,10.838) 1.361,10.874 cw(c8.387,10.426) 7.694,17.432 U2.32@8.757,17.432
Din_1: D14.1 F3.1 P1.8 R13.2 | length 32.1
  Top Layer w0.5: v1(-0.051,66.751) -0.051,65.602 D14.1@0.223,65.329 0.406,65.145 F3.1@0.406,63.459 ; R13.2@4.192,82.855 5.436,82.855 6.154,83.573 8.204,83.573 P1.8@8.4,83.769
  Bottom Layer w0.5: v1(-0.051,66.751) -0.108,66.809 -0.108,67.748 -0.33,67.97 -0.33,80.543 2.921,83.795 8.375,83.795 P1.8@8.4,83.769
Din_2: D12.1 F2.1 P1.7 R26.2 | length 34.3
  Top Layer w0.4: v1(9.042,66.929) 9.042,65.43 D12.1@8.89,65.278 8.69,65.278 8.29,64.878 8.29,64.246 7.518,63.475 7.518,61.443 8.788,60.173 8.788,58.776 9.071,58.493 10.23,58.493 F2.1@10.236,58.487
  Top Layer w0.5: R26.2@6.045,72.518 6.145,72.618 6.245,72.618 6.779,73.152 v2@8.026,73.152 ; v2(8.026,73.076) 10.084,73.076 12.421,75.413 12.421,78.842 10.795,80.467 10.795,83.664 P1.7@10.9,83.769
  Bottom Layer w0.4: v2(8.026,73.076) 8.026,73.063 9.055,72.034 9.055,66.942 v1(9.042,66.929)